# Allegro board MB1219_REVB_160112.brd (continued)
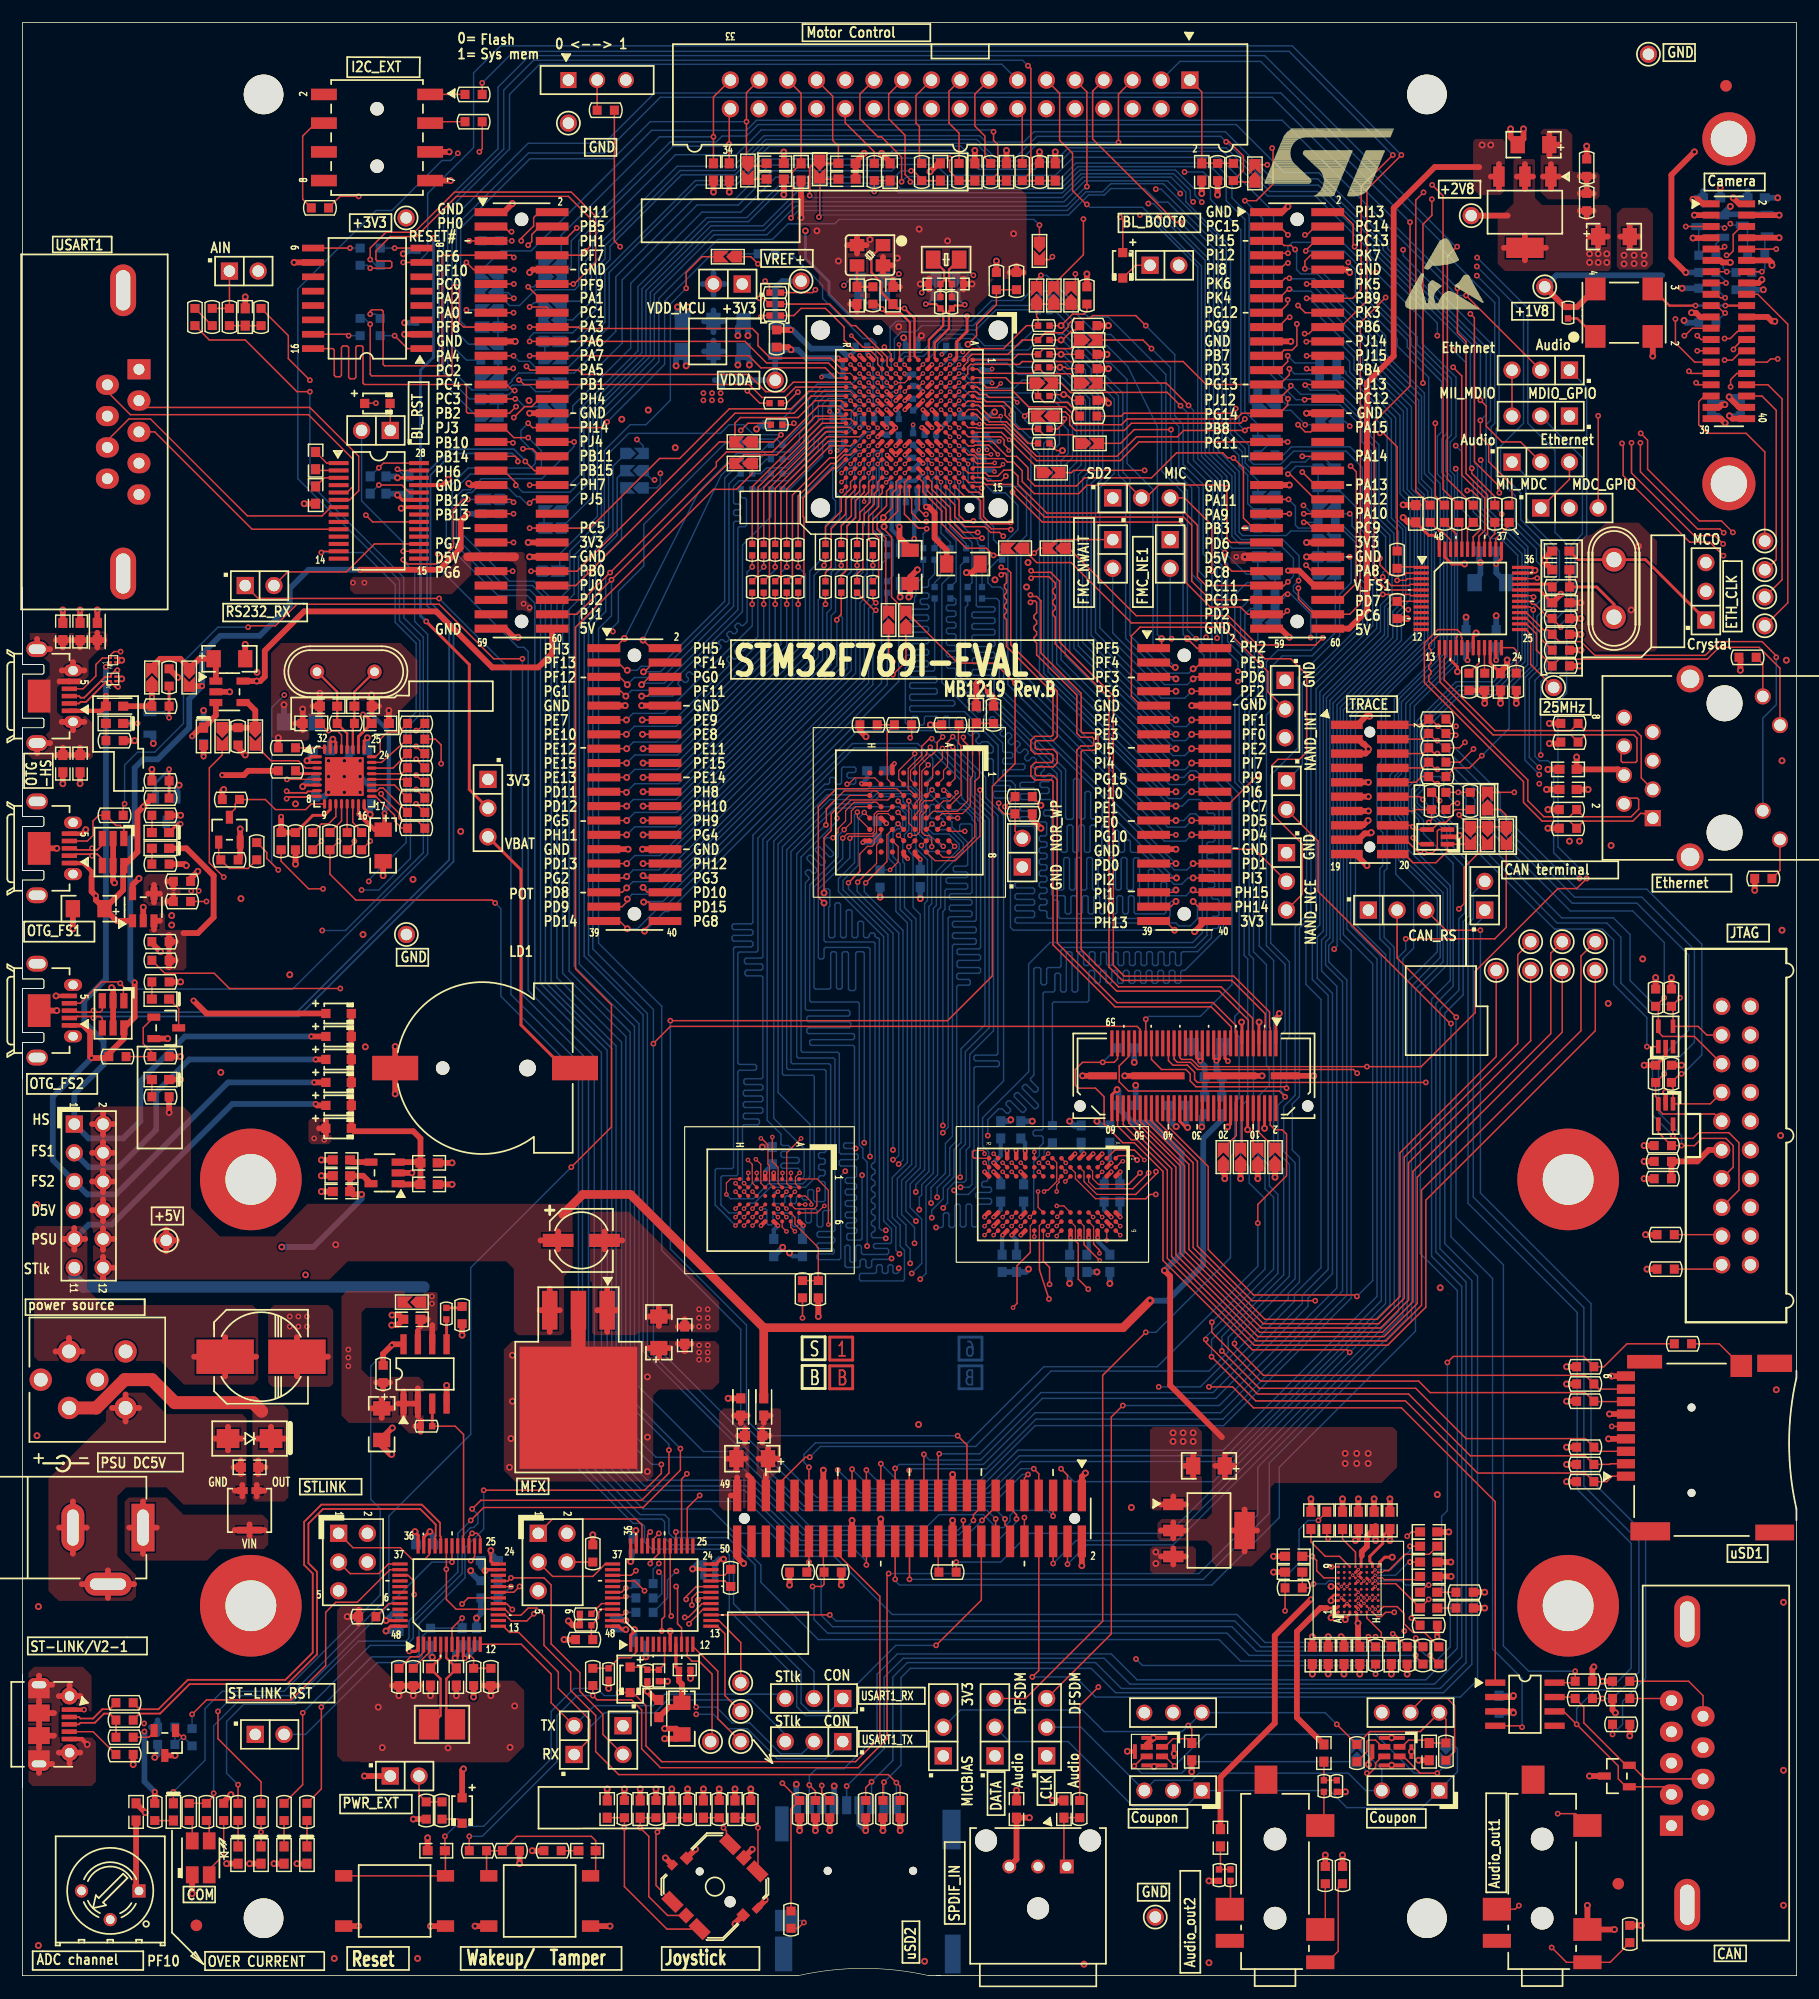
[diagram p0: board, top side]
## Routing (per net, layer and track width the routed paths; a pad name or vN(x,y) marks a point on that pad's centre or on a via; arc(x,y) is an arc through that point) (continued)
NETCN6_4: length 35.4
  TOP w0.127: CN6.4 114.3,154.69 113.56,153.95 v1(113.39,153.95)
  L4_SIG w0.102: v1(113.39,153.95) 112.57,153.95 111.94,154.58 91.16,154.58 87.5,150.93 84.63,150.93 v1(84.07,150.37)
  BOTTOM w0.127: v1(84.07,150.37) 83.57,150.37 83.31,150.11 SB38.2
NETCN7_2: length 26.6
  TOP w0.127: CN7.2 10.9,138.68 25.4,138.68 29.72,134.37 29.72,131.32 28.92,130.52 U5.6
NETCN7_3: length 21.2
  TOP w0.127: U5.10 20.29,127.91 11.68,136.53 CN7.3
NETCN7_6: length 28.7
  TOP w0.127: U5.5 28.68,131.17 29.21,131.7 29.21,134.11 25.27,138.05 9.53,138.05 7.49,140.08 CN7.6
NETCN7_8: length 25.7
  TOP w0.127: CN7.8 7.49,135.76 9.4,137.67 11.3,137.67 19.88,129.1 26.48,129.1 27.25,129.87 U5.7
NETCN8_4: length 29
  TOP w0.127: CN8.4 5.35,113.81 6.48,114.94 6.48,115.95 7.06,116.53 D3.A2 7.8,116.81 8.08,117.09 v1(8.66,117.09) ; v1(23.37,105.8) U8.5
  L4_SIG w0.102: v1(8.66,117.09) 12.22,117.09 14.61,114.71 14.61,114.13 22.94,105.8 v1(23.37,105.8)
NETCN9_1: length 35.9
  TOP w0.13: U6.17 127.27,118.34 127.21,118.4 127.21,118.69 126.85,119.04 125.14,119.04 123.95,117.86 123.95,114.35 132.72,105.59 132.72,103.75 134.36,102.11 136.78,102.11 R118.2 138.05,102.11 142.39,102.11 143.06,102.79 143.3,102.79 CN9.1
NETCN9_2: length 35.8
  TOP w0.13: U6.16 126.77,118.34 126.83,118.4 126.83,118.53 126.7,118.66 125.29,118.66 124.33,117.7 124.33,117.44 124.54,117.24 124.54,116.98 124.33,116.78 124.33,116.52 124.54,116.31 124.54,116.05 124.33,115.85 124.33,115.59 124.54,115.39 124.54,115.13 124.33,114.93 124.33,114.51 133.1,105.75 133.1,103.91 134.52,102.49 136.78,102.49 R112.2 138.05,102.49 142.23,102.49 142.9,103.16 142.9,104.01 142.77,104.14 141.73,104.14 141.6,104.01 141.6,103.63
NETCN9_3: length 28
  TOP w0.13: CN9.3 143.13,105.92 143.13,109.6 142.62,110.11 138.18,110.11 R87.2 136.91,110.11 130.18,110.11 125.71,114.58 125.71,116.49 125.77,116.55 U6.14
NETCN9_6: length 28.1
  TOP w0.13: 141.6,108.71 141.48,108.71 141.35,108.58 141.35,107.42 141.48,107.29 142.62,107.29 142.75,107.42 142.75,109.44 142.46,109.73 138.18,109.73 R95.2 136.91,109.73 130.02,109.73 125.33,114.42 125.33,116.49 125.27,116.55 U6.13
NETCN9_9: length 3.7
  TOP w0.127: R128.1 155.39,97.74 CN9.9
NETCN9_10: length 39.5
  TOP w0.127: v1(155.07,116.59) 155.07,116.71 153.8,117.98 150.01,117.98 148.79,116.76 139.01,116.76 137.79,117.98 135.89,117.98 R74.1 134.87,119 134.51,119 132.97,120.54 U6.28
  BOTTOM w0.127: CN9.10 153.87,111.2 155.07,112.39 v1(155.07,116.59)
NETCN9_11: length 31.9
  TOP w0.127: U6.26 132.98,119.54 133.86,118.67 133.86,117.22 R77.1 135.86,116.43 148.97,116.43 150.01,117.47 153.54,117.47 155.39,115.62 CN9.11
NETCN9_12: length 3.7
  TOP w0.127: CN9.12 153.87,116 R76.1
NETCN11_6: length 47.7
  TOP w0.102: U9.A4 82.98,104.44 82.98,107.95
  TOP w0.127: v4(103.5,114.68) 103.68,114.86 CN11.6 ; R90.1 82.75,110.57 82.75,108.99 v5(83.13,108.61) 82.98,108.46 82.98,107.95
  L4_SIG w0.102: v4(103.5,114.68) 103,114.17 101.88,114.17 96.89,109.18 84.42,109.18 83.85,108.61 v5(83.13,108.61)
  BOTTOM w0.127: v4(103.5,114.68) 103,114.17 100.97,114.17 96.39,118.75 JP9.2
NETCN11_9: length 25.6
  TOP w0.127: JP13.2 110.11,113.54 110.11,115.32 106.17,119.25 98.81,119.25 98.04,118.49 98.04,113.16 98.88,112.32 CN11.9
NETCN11_30: length 7.5
  TOP w0.127: JP17.2 108.92,99.62 CN11.30
NETCN12_2: length 57.2
  TOP w0.127: v1(125.16,110.49) 124.52,111.12 R84.1 123.83,110.62 CN12.2 ; CN16.7 149.24,77.1 U13.1 145.94,78.52 145.8,78.66 R139.1 146.56,79.76 v1(146.69,79.76)
  BOTTOM w0.127: v1(125.16,110.49) 126.36,109.28 126.36,108.86 130.66,104.57 130.66,102.9 137.46,96.09 143.61,96.09 148.49,91.21 148.49,81.43 146.81,79.76 v1(146.69,79.76)
NETCN12_4: length 57.5
  TOP w0.127: CN16.9 149.61,76.2 145.03,76.2 144.64,76.6 U13.3 144.64,77.51 144.4,77.75 R138.2 v1(145.16,79.76) ; v1(125.09,109.22) 124.97,109.22 R91.1 123.83,109.35 CN12.4
  BOTTOM w0.127: v1(145.16,79.76) 145.16,79.88 147.83,82.55 147.83,90.73 143.18,95.38 137.24,95.38 129.84,102.77 129.84,104.47 v1(125.09,109.22)
NETCN12_6: length 70.9
  TOP w0.127: v1(125.09,108.08) 124.84,108.08 R97.1 123.83,108.08 CN12.6 ; CN16.13 151.26,71.5 151.26,73.41 150.62,74.04 148.46,74.04 147.83,73.41 v1(146.69,73.41) R141.1 144.64,74.56 U13.4 ; v1(125.29,103.91) 125.29,103.95 R109.2
  L4_SIG w0.102: v1(125.09,108.08) 125.6,107.57 125.6,104.22 v1(125.29,103.91)
  BOTTOM w0.127: v1(146.69,73.41) 146.69,74.3 144.65,76.33 144.65,80.95 147.32,83.62 147.32,90.27 142.75,94.84 137.03,94.84 129.16,102.72 129.16,104.24 125.32,108.08 v1(125.09,108.08)
NETCN12_8: length 46.8
  TOP w0.127: CN16.5 147.83,83.06 145.02,83.06 144.64,83.44 U12.5 144.64,85.49 R134.1 v1(145.16,86.49) ; CN12.8 123.83,106.81 R99.1 124.97,106.68 v1(125.09,106.68)
  BOTTOM w0.127: v1(145.16,86.49) 145.16,91.36 142.37,94.16 136.86,94.16 128.42,102.59 128.42,104.01 125.76,106.68 v1(125.09,106.68)
NETCN12_10: length 61.2
  TOP w0.127: U13.5 145.92,75.29 v1(145.92,74.3) 146.18,74.04 147.7,74.04 148.21,74.55 150.88,74.55 151.76,73.66 151.76,69.47 CN16.15 ; CN12.10 123.19,105.54 123.7,106.05 R102.1 124.97,105.41 v1(125.09,105.41)
  BOTTOM w0.127: v1(145.92,74.3) 144.12,76.1 144.12,84.99 141.33,87.78 141.33,91.85 140.08,93.09 135.69,93.09 127.3,101.47 126.87,101.47 124.74,103.61 124.74,105.05 v1(125.09,105.41)
NETCN12_12: length 98
  TOP w0.127: v1(102.39,138.84) 101.21,140.02 92.65,140.02 91.82,140.84 SB10.1 ; v1(123.83,104.01) 123.57,104.27 CN12.12 ; U12.1 v1(143.63,82.16)
  L4_SIG w0.102: v1(107.47,115.37) 108.24,114.59 108.24,110.45 110.74,107.95 113.28,107.95 114.17,107.06 119,107.06 121.92,104.14 123.7,104.14 v1(123.83,104.01)
  BOTTOM w0.127: v1(143.63,82.16) 143.63,84.72 140.69,87.66 140.69,91.57 139.7,92.56 135.46,92.56 127.94,100.08 127.11,100.08 126.24,100.95 126.24,101.55 123.83,103.96 v1(123.83,104.01) ; v1(107.47,115.37) 107.47,116.18 106.06,117.59 106.06,118.47 106.05,118.48 106.05,124.71 104.78,125.98 104.78,132.13 103.05,133.86 103.05,138.18 v1(102.39,138.84)
NETCN12_14: length 68.3
  TOP w0.127: CN12.14 123.06,103 123.19,103.12 R109.1 124.59,102.23 v1(124.33,101.98) ; v1(122.96,100.63) 123.54,100.06 U10.5 ; SB11.1 101.12,140.84 v1(103.1,138.86)
  L4_SIG w0.102: v1(122.96,100.63) 123.46,100.63 124.33,101.51 v1(124.33,101.98) 123.29,103.02 122.4,103.02 119.25,106.17 114.43,106.17 113.03,107.57 110.62,107.57 107.47,110.72 v1(107.47,114.45)
  BOTTOM w0.127: v1(103.1,138.86) 103.53,138.43 103.53,134.01 105.23,132.31 105.23,126.16 106.55,124.84 106.55,117.98 108.08,116.46 108.08,115.06 v1(107.47,114.45)
NETCN12_16: length 69
  TOP w0.127: R111.1 126.7,103.12 126.49,102.92 126.49,102.62 125.86,101.98 125.25,101.98 124.63,101.36 U10.4 123.18,101.36 v1(122.94,101.6) 122.81,101.73 CN12.16 ; v1(99.82,143.89) 99.06,144.65 SB9.1
  L4_SIG w0.102: v1(122.94,101.6) 119.63,104.9 115.19,104.9 112.9,107.19 110.36,107.19 106.43,111.12 106.43,116.59 v1(104.65,118.36)
  BOTTOM w0.127: v1(99.82,143.89) 101.5,142.21 101.5,137.74 102.23,137.01 102.23,133.35 104.01,131.57 104.01,124.21 104.65,123.57 v1(104.65,118.36)
NETCN12_18: length 78.9
  TOP w0.127: v1(90.04,150.37) 90.02,150.37 89.66,150.01 SB6.1 ; U10.3 125.22,101.36 125.09,101.23 125.09,99.72 124.69,99.31 v1(123.95,99.31) 123.44,99.31 122.3,100.46 CN12.18
  L4_SIG w0.102: v1(123.95,99.31) 123.44,99.31 122.43,100.33 122.43,100.84 119.51,103.76 115.7,103.76 112.59,106.87 109.92,106.87 105.97,110.82 105.97,116.23 103.96,118.24 v1(103.76,118.24)
  BOTTOM w0.127: v1(90.04,150.37) 90.55,150.37 94.23,146.69 96.01,146.69 101.09,141.6 101.09,137.57 101.1,137.55 101.1,133.21 103,131.32 103,131 103,131 103,119 v1(103.76,118.24)
NETCN12_20: length 8.1
  TOP w0.127: CN12.20 122.18,99.19 122.95,98.42 124.97,98.42 125.99,99.45 U10.1 127.87,100.06 127.89,100.08
NETCN13_4: length 7.8
  TOP w0.127: CN13.4 5.73,100.34 6.22,100.84 6.22,102.11 6.73,102.62 R115.1 8.26,101.73 8.64,101.73 8.95,101.41 D5.1
NETCN14_4: length 77.7
  TOP w0.127: v1(33.66,125.22) 34.04,124.84 36.58,124.84 38.1,126.36 38.1,129.67 38.99,130.56 v1(39.37,130.56) ; D7.1 8.91,86.26 8.91,87.48 v1(8.64,87.76) 8.51,87.88 6.99,87.88 5.09,85.99 CN14.4
  BOTTOM w0.127: v1(33.66,125.22) 33.66,125.09 34.67,124.08 34.67,119.76 35.81,118.62 35.81,99.19 23.88,87.25 9.14,87.25 v1(8.64,87.76) ; SB65.1 v1(39.37,130.56)
NETCN15_8: length 4.1
  TOP w0.127: SB32.1 109.32,74.58 CN15.8
NETCN15_10: length 3.7
  TOP w0.127: CN15.10 108.82,73.55 SB31.1
NETCN15_14: length 3.6
  TOP w0.127: SB30.1 107.82,73.27 CN15.14
NETCN15_16: length 4
  TOP w0.127: CN15.16 107.32,74.3 SB29.1
NETCN15_35: length 151.2
  TOP w0.127: U20.G1 119.77,31.75 120.14,31.75 120.52,32.13 v1(121.28,32.13) ; CN15.35 102.32,81.2 102.49,81.03 103.38,81.03 104.01,80.39 v1(118.87,80.39) 123.67,80.39 128.45,85.17 128.45,88.82 135.76,96.14 137.41,96.14 v1(138.3,97.03)
  L4_SIG w0.089: 119.49,34.01 120.02,34.01 120.4,33.63
  L4_SIG w0.102: 119.49,34.01 119.29,34.21 118.36,34.21 117.97,34.61 117.97,34.61 117.81,34.77 116.99,35.59 116.99,36.47 114.05,39.42 114.05,41.15 114.44,41.54 114.44,42.41 113.92,42.93 113.92,46.35 116.84,49.28 116.84,59.72 118.82,61.7 118.82,80.34 v1(118.87,80.39) ; v1(121.28,32.13) 121.16,32.13 120.78,32.51 120.78,33.25 120.4,33.63
  BOTTOM w0.127: JP3.1 138.3,140.46 138.3,127.38 137.29,126.36 137.29,119.89 136.53,119.13 136.53,113.41 135.76,112.65 135.76,99.82 138.3,97.28 v1(138.3,97.03)
NETCN15_39: length 274.5
  TOP w0.089: v2(118.61,33.41) U20.E4
  TOP w0.127: v1(124.08,78.99) 103.89,78.99 103.63,79.25 103.63,79.88 103,80.52 101.73,80.52 101.32,80.93 CN15.39
  L4_SIG w0.089: 118.9,31.75 118.9,31.98 118.75,32.13 118.75,32.66 118.88,32.8 118.88,33.14 v2(118.61,33.41)
  L4_SIG w0.102: v1(36.7,125.73) 35.86,126.57 35.86,143.12 38.61,145.86 38.61,146.81 39.12,147.32 v1(39.24,147.32) ; v1(124.08,78.99) 123.95,78.87 123.95,35.31 123.57,34.92 123.57,32.77 124.33,32 124.33,29.46 123.95,29.08 123.95,27.81 123.7,27.56 121.03,27.56 120.14,28.45 120.14,29.46 v1(119.63,29.97) 119.63,30.25 118.9,30.99 118.9,31.75
  BOTTOM w0.127: v1(36.7,125.73) 36.7,124.59 43.81,117.47 44.32,117.47 44.7,117.09 44.7,87.12 50.55,81.28 50.55,45.59 54.86,41.27 60.83,41.27 62.99,39.12 66.17,39.12 68.2,37.08 71.75,37.08 76.9,31.94 107.38,31.94 109.86,29.46 119.13,29.46 v1(119.63,29.97) ; SB43.1 v1(39.24,147.32)
NETCN15_45: length 103.2
  TOP w0.127: v1(111.76,78.49) 111.63,78.61 103.76,78.61 103.25,79.12 103.25,79.76 102.87,80.14 100.71,80.14 99.82,81.03 CN15.45
  L4_SIG w0.102: v1(117.35,125.48) 121.41,129.54 126.62,129.54 126.87,129.79 131.06,129.79 132.33,131.06 142.75,131.06 JP12.3
  BOTTOM w0.127: v1(111.76,78.49) 111.76,82.8 112.01,83.06 112.01,89.66 110.36,91.31 110.36,106.17 112.78,108.58 112.78,114.81 116.46,118.49 116.46,122.17 117.47,123.19 117.47,125.35 v1(117.35,125.48) SB71.1
NETCN15_46: length 68
  TOP w0.127: TP17.1 130.3,81.28 121.79,72.77 121.79,60.07 119.76,58.04 109.86,58.04 103.5,64.39 103.5,71.88 99.82,75.57 CN15.46
NETCN15_47: length 69.3
  TOP w0.127: CN15.47 99.32,84.32 99.31,84.33 v1(99.31,84.58) ; SB14.1 97.08,135.51 98.3,136.73 v1(101.55,136.73)
  BOTTOM w0.127: v1(99.31,84.58) 99.57,84.84 104.14,84.84 106.93,87.63 106.93,104.27 105.03,106.17 105.03,117.09 104.2,117.92 104.2,123.13 103.38,123.95 103.38,131.57 101.55,133.4 v1(101.55,136.73)
NETCN15_48: length 72.9
  TOP w0.127: CN15.48 99.32,75.56 103.12,71.75 103.12,64.23 109.7,57.66 119.92,57.66 122.17,59.91 122.17,72.39 132.21,82.42 132.21,90.3 TP14.1
NETCN15_50: length 71.5
  TOP w0.127: CN15.50 98.82,75.55 102.74,71.63 102.74,64.07 109.54,57.28 120.08,57.28 122.56,59.76 122.56,71.88 133.35,82.68 TP18.1
NETCN15_52: length 76.5
  TOP w0.127: CN15.52 98.32,75.54 98.81,75.06 98.93,75.06 102.36,71.63 102.36,63.92 109.38,56.9 120.23,56.9 122.94,59.6 122.94,71.12 135.13,83.31 135.13,90.42 TP15.1
NETCN15_54: length 75.1
  TOP w0.127: CN15.54 97.82,75.41 98.55,74.68 98.81,74.68 101.98,71.5 101.98,63.76 109.22,56.52 120.39,56.52 123.32,59.44 123.32,70.61 136.14,83.44 TP19.1
NETCN15_56: length 80.1
  TOP w0.127: CN15.56 97.32,75.27 98.3,74.3 98.68,74.3 101.6,71.37 101.6,63.6 109.07,56.13 120.55,56.13 123.7,59.28 123.7,69.47 137.79,83.57 137.79,90.17 TP16.1
NETCN15_58: length 78.8
  TOP w0.127: TP20.1 139.06,83.57 124.08,68.58 124.08,59.12 120.71,55.75 108.91,55.75 101.22,63.44 101.22,71.25 98.55,73.91 98.04,73.91 96.82,75.14 CN15.58
NETCN16_3: length 40.9
  TOP w0.127: v1(146.56,86.49) R135.1 145.94,85.58 U12.4 145.95,83.95 148.16,83.95 148.92,83.19 CN16.3 ; R110.1 v1(126.95,104.65) R111.2
  BOTTOM w0.127: v1(146.56,86.49) 145.97,85.9 144.25,85.9 142.14,88.01 142.14,92.08 140.67,93.55 136.09,93.55 127.64,102.01 127.64,104.06 127.05,104.65 v1(126.95,104.65)
NETCN16_11: length 6.4
  TOP w0.508: R143.2 R142.1 148.08,72.01 149.1,73.03 CN16.11
NETCN16_17: length 4.2
  TOP w0.127: CN16.17 150.11,65.53 R144.2
NETCN16_19: length 4.3
  TOP w0.127: CN16.19 149.86,62.48 R145.2
NETCN17_1: length 113.9
  TOP w0.127: CN17.1 140.56,44.17 140.08,43.69 R158.2 138.18,44.45 128.65,44.45 122.28,50.83 109.04,50.83 v1(105.13,54.74)
  BOTTOM w0.127: v1(105.13,54.74) 105.13,56.24 111,62.1 111,69.09 110.24,69.85 110.24,71.63 109.22,72.64 109.22,77.72 110.24,78.74 110.24,80.26 109.98,80.52 109.98,89.41 108.84,90.55 108.84,105.03 108.08,105.79 108.08,112.14 109.27,113.33 109.27,117.17 108.08,118.36 108.08,120.4 108.58,120.9 R287.1
NETCN17_2: length 113.5
  TOP w0.127: CN17.2 140.39,45.27 140.34,45.21 R157.2 138.18,45.97 128.02,45.97 122.56,51.44 109.19,51.44 104.62,56.01 v1(104.62,56.26)
  BOTTOM w0.127: v1(104.62,56.26) 104.62,56.49 110.62,62.48 110.62,68.83 109.86,69.6 109.86,71.37 108.84,72.39 108.84,89.92 108.46,90.3 108.46,104.78 107.57,105.66 107.57,112.39 108.92,113.74 108.92,117.02 107.7,118.24 107.7,120.9 R282.1
NETCN17_3: length 108
  TOP w0.127: CN17.3 139.3,46.37 R156.2 138.18,47.5 127.64,47.5 123.19,51.94 109.35,51.94 v1(106.05,55.24)
  BOTTOM w0.127: SB76.1 109.22,117.98 109.63,117.58 109.63,112.97 108.46,111.8 108.46,106.05 109.35,105.16 109.35,91.06 110.62,89.79 110.62,72.26 111.51,71.37 111.51,61.98 106.05,56.52 v1(106.05,55.24)
NETCN17_7: length 113.7
  TOP w0.127: CN17.7 138.97,50.77 R154.2 138.18,51.56 124.46,51.56 123.44,52.58 109.47,52.58 105.16,56.9 v1(105.16,57.78)
  BOTTOM w0.127: v1(105.16,57.78) 109.86,62.48 109.86,68.71 108.46,70.1 108.46,71.5 107.7,72.26 107.7,76.83 108.33,77.47 108.33,89.92 108.01,90.23 108.01,104.71 107.19,105.54 107.19,112.73 108.51,114.05 108.51,116.66 107.19,117.98 107.19,122.12 108.25,123.19 110.62,123.19 110.74,123.32 SB75.2
NETCN17_8: length 116.2
  TOP w0.127: CN17.8 139.39,51.87 R153.2 138.18,53.09 109.73,53.09 107.16,55.65 v1(107.16,55.91)
  BOTTOM w0.127: v1(107.16,55.91) 107.16,56.29 112.52,61.65 112.52,71.88 111.51,72.9 111.51,76.83 112.52,77.85 112.52,92.76 113.54,93.78 113.54,114.17 118.9,119.53 118.9,122.91 118.24,123.57 118.24,126.75 116.71,128.27 116.46,128.27 R264.1
NETCN17_10: length 5.2
  TOP w0.127: CN17.10 150.01,55.88 R150.2
NETCN18_22: length 2.7
  TOP w0.127: R162.1 80.96,35.75 CN18.22
NETCN19_1: length 10.7
  TOP w0.508: D13.1 20.07,39.91 ; D13.1 18.76,39.4 ; D13.1 21.37,39.4 ; D13.1 20.07,38.89 ; 9.43,39.62 CN19.1 ; CN19.1 10.64,41.94 ; CN19.1 11.86,39.62 ; CN19.1 10.64,37.31
NETCN21_4: length 2.3
  TOP w0.127: R159.2 CN21.4
NETCN22_2: length 4.8
  TOP w0.155: CN22.2 4.98,22.87 5.11,22.74 6.22,22.74 7.04,23.56 7.68,23.56 7.7,23.58 7.72,23.58 8.26,24.12 8.26,24.13
NETCN22_3: length 6.3
  TOP w0.155: CN22.3 4.98,22.23 5.11,22.36 6.38,22.36 7.2,23.18 7.7,23.18 8.26,22.62 8.26,21.08
NETCN22_4: length 5
  TOP w0.127: 8.26,19.56 6.24,21.58 CN22.4
NETCN25_5: length 9.9
  TOP w0.127: R191.1 126.62,19.81 126.62,23.88 125.98,24.51 123.83,24.51 122.73,23.41 CN25.5
NETCN26_2: length 97.9
  TOP w0.127: U23.6 136.27,23.37 v1(137.41,22.23) 141.1,18.54 141.1,17.4 141.79,16.7 D15.1 145.12,16.7 CN26.2
  BOTTOM w0.127: v1(137.41,22.23) 137.41,23.62 139.06,25.27 140.31,25.27 142.24,27.2 142.24,38.23 137.46,43 137.46,58.65 127.81,68.3 127.81,93.01 128.27,93.47 128.27,95.76 JP18.2
NETCN26_5: length 3.8
  TOP w0.127: R186.2 145.62,24.51 CN26.5
NETCN26_7: length 16.9
  TOP w0.127: CN26.7 143.46,17.4 142.26,18.6 D15.2 141.8,18.6 138.05,22.35 138.05,23.75 R185.1 137.16,24.64 U23.7
NETCN26_9: length 8.8
  TOP w0.127: R184.2 147.32,26.04 148.59,24.77 CN26.9
NETCN27_2: length 8.1
  TOP w0.127: R223.1 116.33,7.75 116.33,2.16 115.35,1.18 CN27.2
NETCN27_3: length 4.2
  TOP w0.127: CN27.3 115.19,4.53 R222.1
NETCN27_4: length 2.5
  TOP w0.127: R221.1 106.81,5.94 CN27.4
NETCN27_6: length 3.1
  TOP w0.127: R193.2 115.06,13.6 CN27.6
NETCN30_5: length 209
  L4_SIG w0.102: JP7.1 97.92,132.21 106.71,132.21 107.21,131.7 111,131.7 111.63,131.06 112.39,131.06 112.9,131.57 120.14,131.57 121.84,133.27 v1(126.72,133.27)
  BOTTOM w0.127: CN30.5 v1(72.86,16.76) 76.18,20.08 76.18,26.4 77.85,28.07 95.63,28.07 97.92,25.78 124.84,25.78 127.25,28.19 127.25,60.96 124.59,63.63 124.59,86.36 126.24,88.01 126.24,96.39 123.44,99.19 123.44,102.23 122.56,103.12 122.56,105.16 123.06,105.66 123.06,112.27 126.87,116.08 126.87,133.12 v1(126.72,133.27)
NETCN30_10: length 3
  TOP w0.127: R224.2 68.58,4.19 v1(69.09,4.7)
  BOTTOM w0.127: v1(69.09,4.7) 68.92,4.87 CN30.10
NETD1_1: length 106.2
  TOP w0.127: U5.20 30.95,128.56 v1(30.35,129.16) ; D1.1 97.28,155.27 v1(97.03,155.52)
  L4_SIG w0.102: v1(30.35,129.16) 24.38,135.13 24.38,142.49 32.26,150.37 33.66,150.37 35.43,152.15 35.43,154.18 40.36,159.11 79.78,159.11 80.26,158.62 91.14,158.62 93.68,156.08 96.47,156.08 v1(97.03,155.52)
NETD1_2: length 2.9
  TOP w0.127: JP1.1 98.41,151.26 D1.2
NETD2_2: length 2.4
  TOP w0.127: JP5.1 32.51,139.02 D2.2
NETD16_2: length 1.9
  TOP w0.127: R208.1 38.5,13.84 D16.2
NETJP3_2: length 108.7
  TOP w0.127: JP3.2 v1(127.64,148.59)
  BOTTOM w0.127: SB35.1 40.51,150.75 42.29,152.53 44.96,152.53 55.63,163.19 64.01,163.19 64.9,164.08 111.38,164.08 126.87,148.59 v1(127.64,148.59)
NETJP3_3: length 4.1
  TOP w0.127: 131.7,137.92 131.7,141.99
NETJP4_2: length 25.6
  TOP w0.127: v1(136.02,119.25) R73.1 135,120.02 133.73,121.28 133.48,121.28 133.22,121.54 U6.30
  BOTTOM w0.127: v1(136.02,119.25) 136.02,119.51 136.91,120.4 136.91,126.49 137.92,127.51 137.92,134.24 JP4.2
NETJP5_2: length 13.6
  TOP w0.127: U5.16 v1(33.66,125.96)
  BOTTOM w0.127: v1(33.66,125.96) 33.66,126.75 29.97,130.43 JP5.2
NETJP6_1: length 126.4
  TOP w0.089: U20.F2 v2(119.11,32.41)
  L4_SIG w0.089: v2(119.11,32.41) 119.11,32.27 119.25,32.13 119.25,31.75
  L4_SIG w0.102: 119.25,31.75 119.25,31.11 120.65,29.72 120.65,28.57 121.41,27.81 123.44,27.81 123.7,28.07 123.7,29.21 123.95,29.46 123.95,31.88 123.32,32.51 123.32,35.18 123.57,35.43 123.57,79.5 131.11,87.05 133.4,87.05 134.89,88.53 134.89,92.29 137.67,95.07 v1(137.67,97.03)
  BOTTOM w0.127: v1(137.67,97.03) 135.38,99.31 135.38,106.93 134.87,107.44 134.11,107.44 133.73,107.82 133.73,114.55 134.75,115.57 134.75,119.76 135.5,120.51 135.5,123.06 135.89,123.46 135.89,125.98 132.92,128.96 132.92,132.64 JP6.1
NETJP6_2: length 112.7
  TOP w0.127: v1(128.91,139.32) 129.41,138.81 129.41,137.03 130.81,135.64 132.46,135.64 JP6.2
  BOTTOM w0.127: SB44.2 48.64,146.43 50.29,148.08 50.29,151.26 51.18,152.15 51.18,153.31 57.89,160.02 62.87,160.02 65.56,162.71 84.63,162.71 85.19,162.15 88.52,162.15 89.43,163.07 106.35,163.07 110.52,158.9 114.53,158.9 120.29,153.14 120.29,152.63 128.91,144.02 v1(128.91,139.32)
NETJP6_3: length 5.1
  TOP w0.127: JP6.3 136.78,132.33 JP8.1
NETJP7_3: length 120.8
  TOP w0.127: v1(99.31,56.9) 95.5,53.09 95.5,31.34 88.67,24.51 JP23.3 ; v1(105.16,124.21) 105.16,128.27 102.74,130.68 JP7.3
  BOTTOM w0.127: v1(105.16,124.21) 105.16,117.86 105.54,117.47 105.54,106.55 107.57,104.52 107.57,85.22 107.19,84.84 107.19,83.44 107.57,83.06 107.57,77.6 107.19,77.22 107.19,72.77 106.81,72.39 106.81,63.5 100.2,56.9 v1(99.31,56.9)
NETJP8_2: length 10.8
  TOP w0.127: v1(133.6,121.92) 133.48,122.04 U6.31
  L4_SIG w0.102: v1(133.6,121.92) 133.22,122.3 133.22,124.97 136.78,128.52 JP8.2
NETJP10_2: length 36.1
  TOP w0.127: v1(78.49,109.47) 78.61,109.6 R89.2
  L4_SIG w0.102: v1(101.6,118.24) 101.07,118.77 100.48,118.77 97.6,115.89 97.6,114.74 94.49,111.63 79.25,111.63 78.49,110.87 v1(78.49,109.47)
  BOTTOM w0.127: v1(101.6,118.24) 101.47,118.36 JP10.2
NETJP11_1: length 137.1
  TOP w0.127: JP11.1 20.83,121.79 v1(36.83,121.79)
  BOTTOM w0.127: JP21.1 71.41,23.4 69.52,23.4 68.83,24.09 68.83,26.92 62.87,32.89 62.87,37.34 62.1,38.1 57.4,38.1 56.77,38.73 56.77,40.13 56.52,40.39 54.23,40.39 49.5,45.11 49.5,80.44 43.18,86.77 43.18,115.44 v1(36.83,121.79)
NETJP11_2: length 14.3
  TOP w0.127: U5.17 31.11,126.61 28.64,124.14 23.43,124.14 JP11.2
NETJP12_2: length 20.8
  TOP w0.127: v1(133.92,123.59) 133.6,123.59 133.55,123.54 U6.34
  L4_SIG w0.102: v1(133.92,123.59) 133.98,123.59 136.73,126.34 136.73,126.44 138.43,128.14 142.24,128.14 147.96,122.43 JP12.2
NETJP13_3: length 46.3
  TOP w0.127: v1(76.96,116.2) 76.58,116.59 SB19.2
  L4_SIG w0.102: JP13.3 111,109.47 109.35,111.12 109.35,116.97 107.31,119 99.69,119 96.9,116.2 v1(76.96,116.2)
NETJP14_2: length 92.2
  TOP w0.127: v1(126.3,84.2) 126.24,84.2 114.55,95.89 114.55,100.33 JP14.2 ; U23.4 132.46,22.1 v1(132.59,21.97)
  BOTTOM w0.127: v1(132.59,21.97) 132.59,26.29 129.98,28.9 129.98,61.66 126.3,65.34 v1(126.3,84.2)
NETJP15_2: length 113.9
  TOP w0.254: v1(35.69,119.76) 39.5,115.95 39.5,104.9 41.15,103.25 ; v1(83.52,146.76) 83.52,145.41 82.6,144.5 82.6,143.08 U4.C1
  L4_SIG w0.254: v4(69.22,154.31) 68.83,154.69 57.28,154.69 53.34,158.62 41.27,158.62 v1(36.32,153.67)
  BOTTOM w0.254: v1(36.32,153.67) 36.32,143.13 35.18,141.99 35.18,120.27 v1(35.69,119.76) ; v4(69.22,154.31) 69.22,151.89 71.31,149.8 71.31,148.65 73.18,146.79 83.26,146.79 83.29,146.76 v1(83.52,146.76)
NETJP16_2: length 11
  TOP w0.102: U9.B4 81.43,103.89 81.99,103.89 82.59,104.48 v3(82.59,104.65)
  TOP w0.127: v1(86.31,103.68) 86.31,103.23 86.79,102.74 R114.1 87.76,101.22 JP16.2
  L4_SIG w0.102: v1(86.31,103.68) 83.55,103.68 v3(82.59,104.65)
NETJP17_3: length 54.6
  TOP w0.127: SB17.2 88.98,125.78 88.98,125.65 89.66,124.97 92.71,124.97 98.04,119.63 106.68,119.63 109.86,116.46 112.14,116.46 113.54,115.06 113.54,108.2 112.9,107.57 111,107.57 110.49,107.06 110.49,102.74 113.16,100.08 113.16,95.63 JP17.3
NETJP18_1: length 79
  TOP w0.127: R185.2 v1(139.7,24.51)
  BOTTOM w0.127: JP18.1 129.29,93.73 128.27,92.71 128.27,68.86 138.05,59.08 138.05,43.31 142.92,38.44 142.92,26.84 140.59,24.51 v1(139.7,24.51)
NETJP19_2: length 79.1
  TOP w0.127: v1(126.77,84.76) 121.54,89.99 JP19.2 ; v1(137.29,26.92) R183.1 137.16,25.91 U23.8
  BOTTOM w0.127: v1(137.29,26.92) 133.17,26.92 130.94,29.16 130.94,62.87 126.75,67.06 126.75,84.79 v1(126.77,84.76)
NETJP19_3: length 84.8
  TOP w0.127: JP19.3 125.86,92.46 v1(128.91,92.46) ; v1(140.59,21.34) R189.1
  BOTTOM w0.127: v1(140.59,21.34) 141.48,22.23 141.48,24.26 143.51,26.29 143.51,38.99 138.68,43.81 138.68,59.44 128.91,69.22 v1(128.91,92.46)
NETJP23_1: length 37.3
  TOP w0.127: U20.A9 v1(115.73,36.16)
  L4_SIG w0.102: JP23.1 87.13,20.58 92.21,20.58 105.49,33.86 111.99,33.86 114.29,36.16 v1(115.73,36.16)
NETJP24_1: length 33.9
  TOP w0.089: v2(117.11,34.41) 117.36,34.66 117.36,34.66 U20.C6
  L4_SIG w0.089: 115.82,35.38 116.14,35.38 v2(117.11,34.41)
  L4_SIG w0.102: 115.82,35.38 114.12,35.38 112.27,33.53 105.79,33.53 91.69,19.43 JP24.1
NETJP24_3: length 139.7
  TOP w0.127: JP24.3 96.27,30.23 96.27,49.4 v1(97.28,50.42)
  BOTTOM w0.127: R246.1 117.02,141.81 117.02,141.66 121.03,137.64 121.03,128.91 122.05,127.89 122.05,122.17 120.73,120.85 120.73,118.44 115.29,113 115.29,92.02 114.86,91.59 114.86,88.85 116.2,87.5 116.2,60.81 105.82,50.42 v1(97.28,50.42)
NETJP25_2: length 23.9
  TOP w0.127: U21.21 42.91,34.9 v1(43.18,35.18) 46.1,35.18 46.74,34.54 46.74,29.34 49.28,26.8 49.28,25.15 51.31,23.11 51.31,21.34 JP25.2
  BOTTOM w0.127: R292.2 42.06,34.9 42.91,34.9 v1(43.18,35.18)
NETJP26_1: length 153.8
  TOP w0.127: U5.13 26.52,125.96 v1(26.42,125.86)
  L4_SIG w0.102: v1(30.61,96.77) 30.61,95 29.34,93.73 29.34,66.87 33.5,62.7 33.5,45.97 35.53,43.94 35.53,36.73 37.44,34.82 39.85,34.82 44.45,30.23 50.29,30.23 53.09,33.02 54.2,33.02 54.46,32.77 58.55,32.77 60.07,31.25 60.07,23.62 v1(59.56,23.11)
  BOTTOM w0.127: v1(59.56,23.11) 61.09,23.11 62.36,21.84 64.08,21.84 66.74,19.18 71,19.18 JP26.1 ; v1(30.61,96.77) 30.61,96.9 33.91,100.2 33.91,110.87 34.8,111.76 34.8,117.83 32.94,119.68 32.94,123.01 30.1,125.86 v1(26.42,125.86)
NETJP26_2: length 289.2
  L4_SIG w0.102: v1(29.97,96.01) 29.97,94.87 29.08,93.98 29.08,66.8 33.22,62.66 33.22,45.86 35.26,43.83 35.26,36.6 37.47,34.39 39.85,34.39 45.16,29.08 49.66,29.08 53.21,32.64 53.98,32.64 54.23,32.38 58.46,32.38 59.69,31.15 59.69,23.88 v1(59.56,23.75) ; v1(38.48,161.16) 39.62,162.31 55.5,162.31 56.39,163.19 83.82,163.19 84.84,162.18 93.47,162.18 97.66,157.99 v1(100.2,157.99)
  BOTTOM w0.127: v1(29.97,96.01) 31.5,96.01 34.29,98.81 34.29,110.67 35.13,111.51 35.13,118.03 33.32,119.84 33.32,123.39 24.33,132.38 24.33,149.17 31.27,156.11 32.67,156.11 37.08,160.53 37.85,160.53 v1(38.48,161.16) ; JP26.2 68.9,19.62 67.04,19.62 64.31,22.35 62.74,22.35 61.34,23.75 v1(59.56,23.75) ; v1(100.2,157.99) 100.69,157.99 106.07,152.6 106.07,135.92 107.54,134.44 107.54,133.48 108.33,132.69 108.33,130.18 SB68.1